# Altium PCB TIDA-010056.PcbDoc (part 1 of 3) (continued)
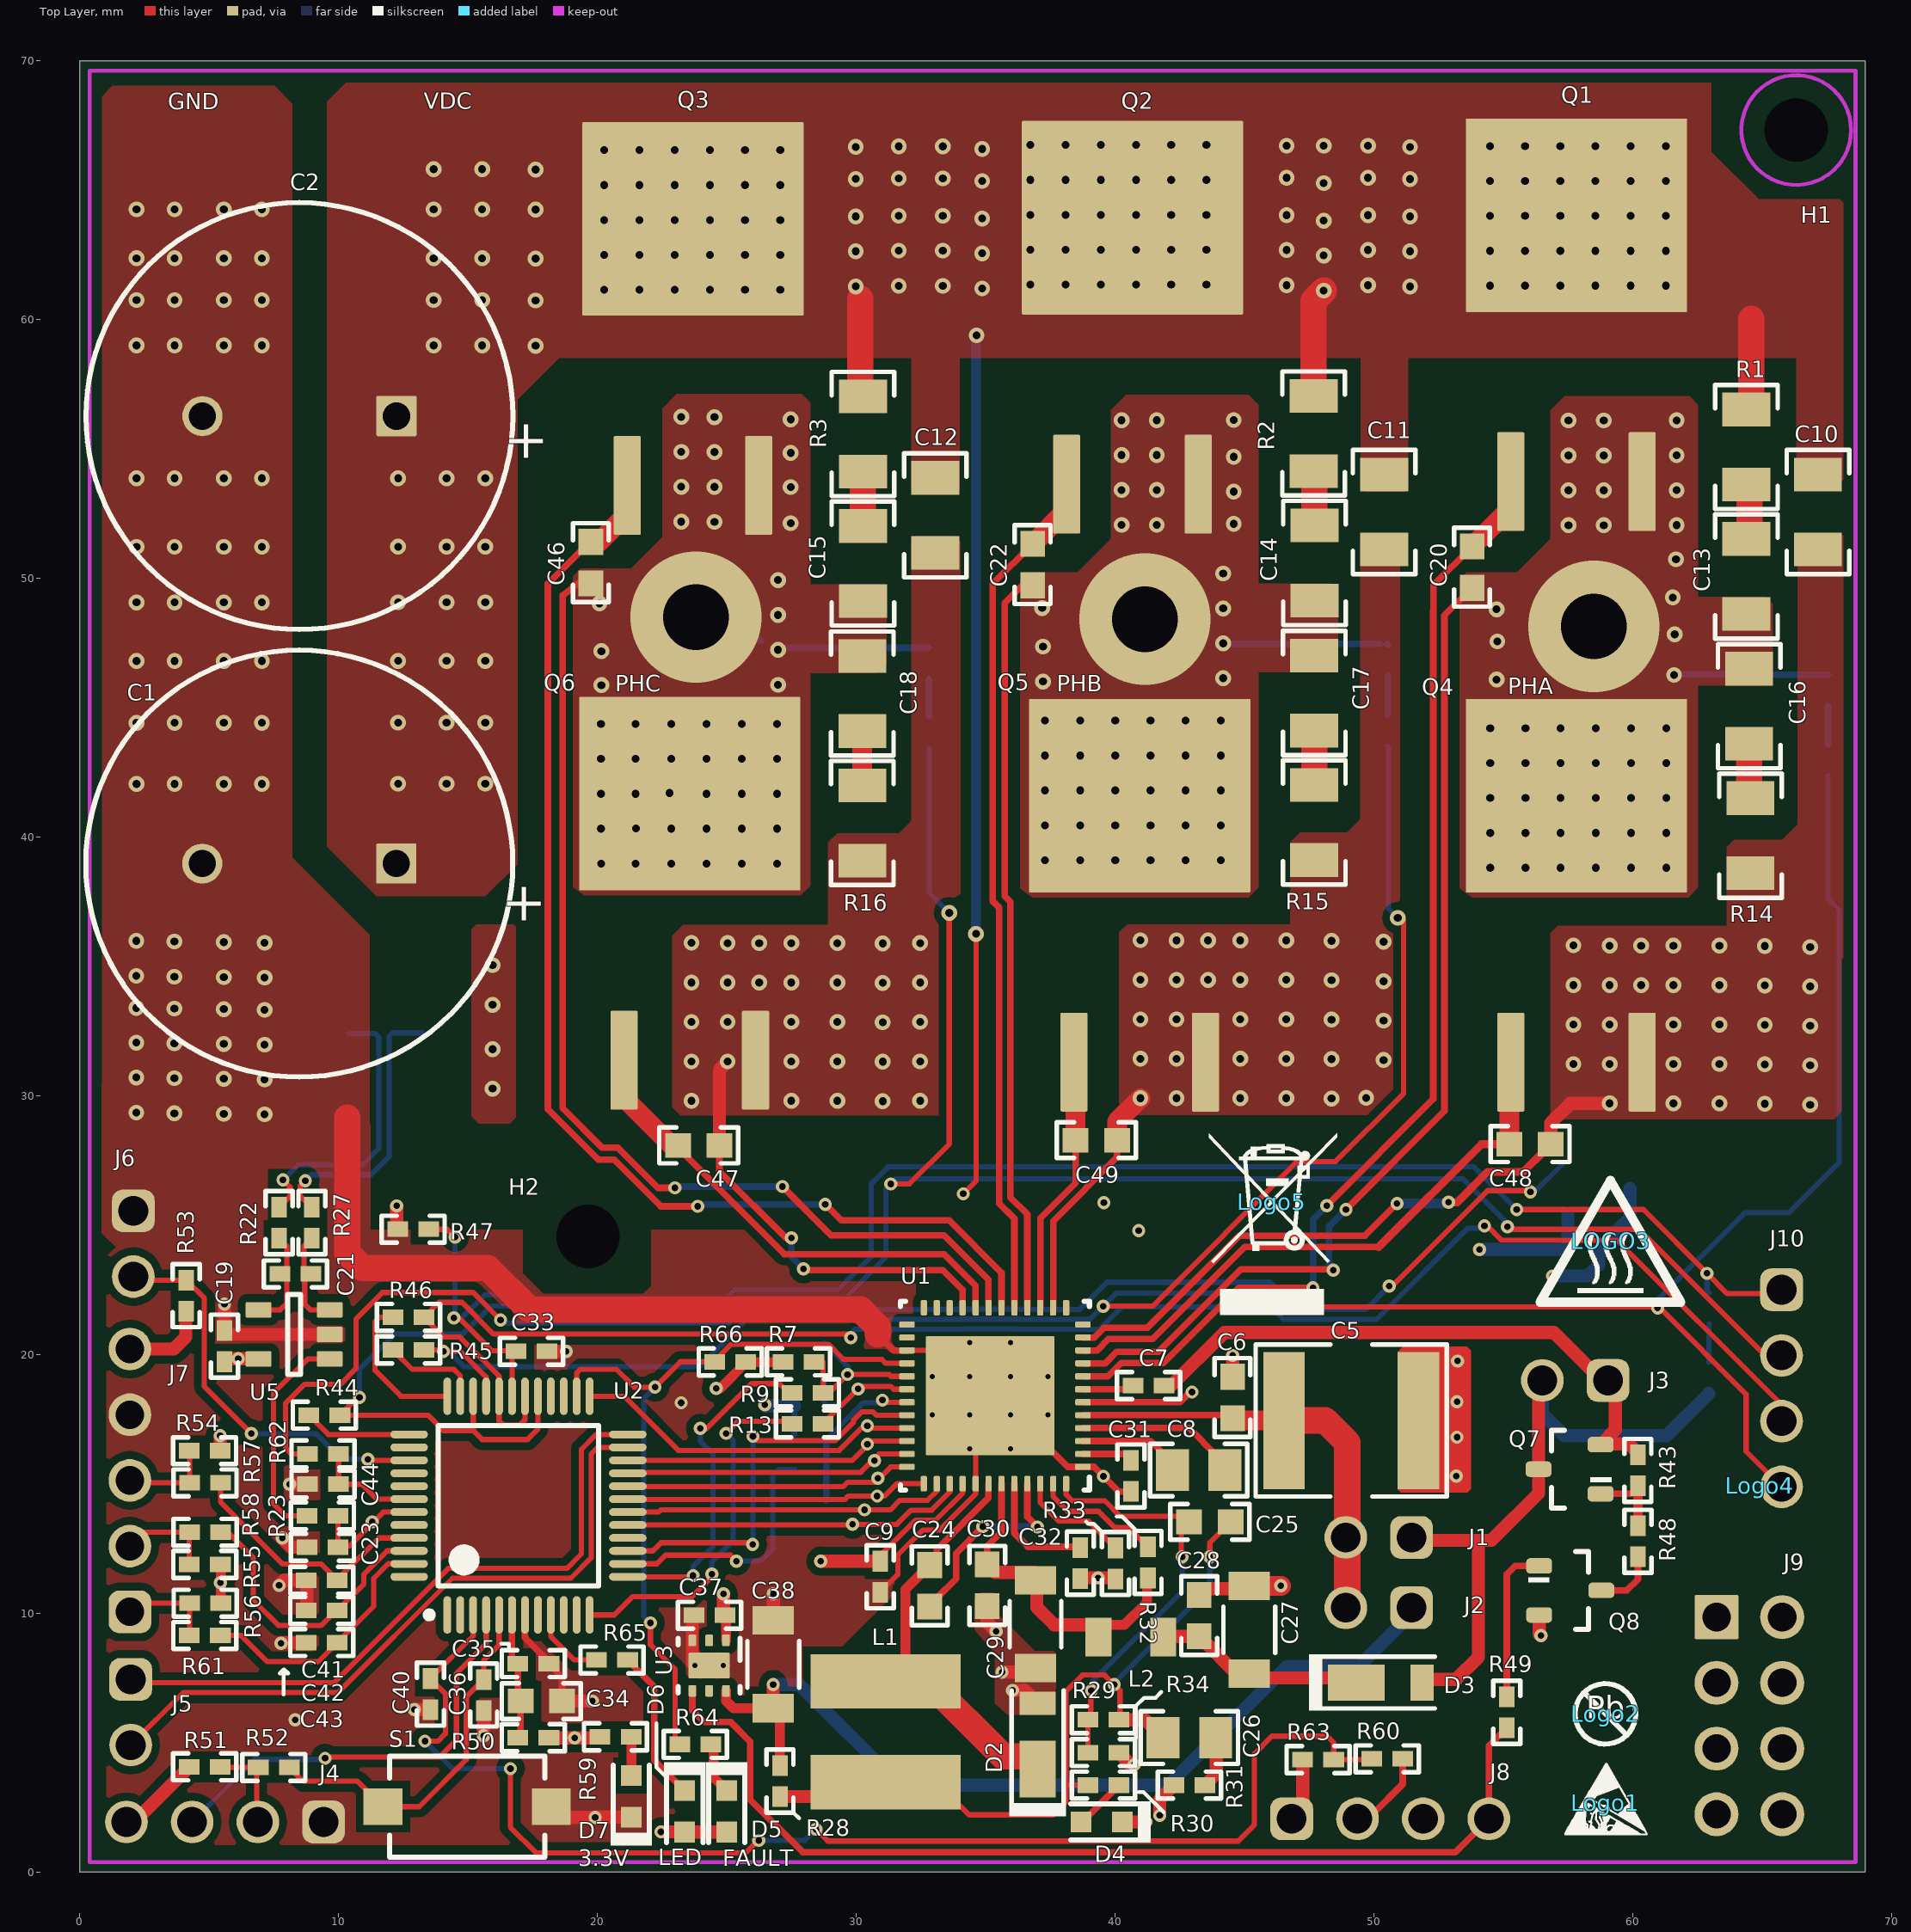
[diagram p0: Top Layer view]
## Design rules (kind name [scope] priority, off if disabled: settings)
AcuteAngle [All] p1: minimum=4.50000000000000E+0001 checktracksonly=FALSE
AssemblyTestPointUsage [All] p1: valid=2
Clearance Clearance_u1 [InPadClass('U1')] p1: gap=0.196 ignorepadtopadclearanceinfootprint=FALSE except(0: Arc-Hole Track-Hole SMDPad-Hole THPad-Hole Via-Hole Fill-Hole Poly-Hole Region-Hole Text-Hole)
Clearance Clearance_Boardedge_poly [OnCopper and InPolygon vs IsKeepOut] p2: gap=0.127 ignorepadtopadclearanceinfootprint=FALSE except(0: Arc-Hole Track-Hole SMDPad-Hole THPad-Hole Via-Hole Fill-Hole Poly-Hole Region-Hole Text-Hole)
Clearance Clearance_MTG_COPPER [InPadClass('MTG') vs InPolygon] p3: gap=1.016 ignorepadtopadclearanceinfootprint=FALSE except(0: Arc-Hole Track-Hole SMDPad-Hole THPad-Hole Via-Hole Fill-Hole Poly-Hole Region-Hole Text-Hole)
Clearance "Shape to Shape" [InPolygon vs InPolygon] p4: gap=0.508 ignorepadtopadclearanceinfootprint=FALSE except(0: Arc-Hole Track-Hole SMDPad-Hole THPad-Hole Via-Hole Fill-Hole Poly-Hole Region-Hole Text-Hole)
Clearance "shape to all" [InPolygon] p5: gap=0.305 ignorepadtopadclearanceinfootprint=FALSE except(0: Arc-Hole Track-Hole SMDPad-Hole THPad-Hole Via-Hole Fill-Hole Poly-Hole Region-Hole Text-Hole)
Clearance "Clearance_via_thr pin" [IsVia vs IsThruPin] p6: gap=0.203 ignorepadtopadclearanceinfootprint=FALSE except(0: Arc-Hole Track-Hole SMDPad-Hole THPad-Hole Via-Hole Fill-Hole Poly-Hole Region-Hole Text-Hole)
Clearance [All] p7: gap=0.178 ignorepadtopadclearanceinfootprint=FALSE except(0: Arc-Hole Track-Hole SMDPad-Hole THPad-Hole Via-Hole Fill-Hole Poly-Hole Region-Hole Text-Hole)
DiffPairsRouting DiffPair_DiffPairsRouting [InDifferentialPair ('kan')] p1: maxlimit=0.254 minlimit=0.254 mostfreqgap=0.254 toplayer_minwidth=0.381 toplayer_maxwidth=0.381 toplayer_prefwidth=0.381 midlayer1_minwidth=0.381 midlayer1_maxwidth=0.381 midlayer1_prefwidth=0.381 midlayer2_minwidth=0.381 midlayer2_maxwidth=0.381 midlayer2_prefwidth=0.381 bottomlayer_minwidth=0.381 bottomlayer_maxwidth=0.381 bottomlayer_prefwidth=0.381 maxuncoupledlength=12.7
DiffPairsRouting DiffPair_DiffPairsRouting_1 [InDifferentialPair ('kan')] p2: maxlimit=0.254 minlimit=0.254 mostfreqgap=0.254 toplayer_minwidth=0.381 toplayer_maxwidth=0.381 toplayer_prefwidth=0.381 midlayer1_minwidth=0.381 midlayer1_maxwidth=0.381 midlayer1_prefwidth=0.381 midlayer2_minwidth=0.381 midlayer2_maxwidth=0.381 midlayer2_prefwidth=0.381 bottomlayer_minwidth=0.381 bottomlayer_maxwidth=0.381 bottomlayer_prefwidth=0.381 maxuncoupledlength=12.7
DiffPairsRouting [All] p3: maxlimit=2.54 minlimit=0.254 mostfreqgap=0.254 toplayer_minwidth=0.381 toplayer_maxwidth=0.381 toplayer_prefwidth=0.381 midlayer1_minwidth=0.381 midlayer1_maxwidth=0.381 midlayer1_prefwidth=0.381 midlayer2_minwidth=0.381 midlayer2_maxwidth=0.381 midlayer2_prefwidth=0.381 bottomlayer_minwidth=0.381 bottomlayer_maxwidth=0.381 bottomlayer_prefwidth=0.381 maxuncoupledlength=25.4
FabricationTestPointUsage TestPointUsage [All] p1: valid=2 allowmultiple=FALSE
FabricationTestpoint Testpoint [All] p1: side=3 testpointundercomponent=TRUE minsize=1.016 maxsize=2.54 preferedsize=1.524 minholesize=0 maxholesize=1.016 preferedholesize=0.813 testpointgrid=0.025 allowsidetop=TRUE allowsidebottom=TRUE usegrid=TRUE gridtolerance=0
FanoutControl Fanout_LCC [IsLCC] p1: bgadir=Out bgaviamode=Centered fanoutstyle=Auto fanoutdirection=Alternating viagrid=0.025 // Fanout_LCC (Default Rule)
FanoutControl Fanout_BGA [IsBGA] p2: bgadir=Out bgaviamode=Centered fanoutstyle=Auto fanoutdirection=Alternating viagrid=0.025 // Fanout_BGA (Default Rule)
FanoutControl Fanout_Default [All] p4: bgadir=Out bgaviamode=Centered fanoutstyle=Auto fanoutdirection=Alternating viagrid=0.025 // Fanout_Default (Default Rule)
FanoutControl Fanout_Small [(CompPinCount < 5)] p5: bgadir=Out bgaviamode=Centered fanoutstyle=Auto fanoutdirection=OutThenIn viagrid=0.025 // Fanout_Small (Default Rule)
HoleSize [All] p1: absolutevalues=TRUE maxlimit=25.4 minlimit=0.178 maxpercent=80.000 minpercent=20.000
MatchedLengths DiffPair_MatchedLengths [InDifferentialPair ('kan')] p1: tolerance=25.4 checknetsindiffpair=TRUE checkdiffpairvsdiffpair=FALSE checkxsignals=FALSE checkothers=FALSE
MatchedLengths DiffPair_MatchedLengths_1 [InDifferentialPair ('kan')] p2: tolerance=25.4 checknetsindiffpair=TRUE checkdiffpairvsdiffpair=FALSE checkxsignals=FALSE checkothers=FALSE
MinimumAnnularRing [All] p1: minimumring=0.127
MinimumAnnularRing MinimumAnnularRing_ThermalPadVias [IsVia and InAnyComponent] p2: minimumring=0.15
MinimumSolderMaskSliver MinimumSolderMaskSliver_Logo [InComponentClass('Logo') vs InComponentClass('Logo')] p1: minsoldermaskwidth=0.018
MinimumSolderMaskSliver [All] p2: minsoldermaskwidth=0.1
PlaneClearance [All] p1: clearance=0.381
PolygonConnect [All] p1: connectstyle=Direct reliefconductorwidth=0.254 reliefentries=4 polygonreliefangle="90 Angle" airgapwidth=0.254
RoutingVias RoutingVias_power [InNetClass('POWER')] p1: holewidth=0.406 width=0.813 viastyle="Through Hole" minholewidth=0.2 minwidth=0.5 maxholewidth=0.406 maxwidth=0.813
RoutingVias ThermalPadVias [IsVia and InAnyComponent] p2: holewidth=0.203 width=0.508 viastyle="Through Hole" minholewidth=0.2 minwidth=0.483 maxholewidth=0.305 maxwidth=0.61
RoutingVias [All] p3: holewidth=0.254 width=0.508 viastyle="Through Hole" minholewidth=0.2 minwidth=0.5 maxholewidth=2.54 maxwidth=5.08
SMDToCorner [All] p1: distance=30000
SilkToSilkClearance [All] p1: silktosilkclearance=0.127
SilkToSolderMaskClearance SilkscreenOverComponentPads [IsPad] p1: minsilkscreentomaskgap=0 clearancetoexposedcopper=TRUE
SolderMaskExpansion [All] p1: expansion=0.076
Width Width_power [InNetClass('pwr')] p1: maxlimit=5.08 minlimit=0.254 preferedwidth=0.508
Width [All] p2: maxlimit=2.54 minlimit=0.152 preferedwidth=0.203 checkconnectedcopper=TRUE
17 further rules are at their usual default settings.

## Classes and differential pairs
component class TIDA-010056_Page2: C34 C35 C36 C37 C38 C39 C40 C41 C42 C43 C44 C45 C? D5 D6 D7 J4 J5 J6 J7 J8 J9 J10 R50 R51 R52 R53 R54 R55 R56 R57 R58 R59 R60 R61 R62 R63 R64 R65 R? S1 U2 U3 U4
component class TIDA-010056_Page1: C1 C2 C3 C4 C5 C6 C7 C8 C9 C10 C11 C12 C13 C14 C15 C16 C17 C18 C19 C20 C21 C22 C23 C24 C25 C26 C27 C28 C29 C30 C31 C32 C33 C46 C47 C48 C49 D1 D2 D3 D4 J1 J2 J3 L1 L2 Q1 Q2 Q3 Q4 Q5 Q6 Q7 Q8 R1 R2 R3 R4 R5 R6 R7 R8 R9 R10 R13 R14 R15 R16 R17 R22 R23 R24 R25 R27 R28 R29 R30 R31 R32 R33 R34 R35 R36 R37 R38 R39 R40 R41 R42 R43 R44 R45 R46 R47 R48 R49 R66 U1 U5
component class AssemblyNote: ZZ1 ZZ2 ZZ3 ZZ4
component class TIDA-010056_Hardware: H1 H2 H3 H4 Logo1 Logo2 LOGO3 Logo4 Logo5 U? ZZ1 ZZ2 ZZ3 ZZ4
pad class U1: U9-39 U9-40 U9-41
component class Header: J1 J2 J3 J4 J5 J6 J7 J8 J10

## Components (designator, comment, footprint, x,y, rotation, side; value= is the part's Value field where it differs from the comment)
C1 "EEU-FS2A391" YXJ_1600X2500 8.479,38.976 r180 top value=390uF
C2 "EEU-FS2A391" YXJ_1600X2500 8.485,56.273 r180 top value=390uF
C3 "C3216X7R2A104K160AA" 1206_180 8.798,45.999 r180 bottom value=0.1uF
C4 "CL31B225KCHSNNE" 1206 8.868,49.835 r180 bottom value=2.2uF
C5 "22201C106MAT2A" 2220_280 49.128,17.452 r0 top value=10uF
C6 "GRM188R72A104KA35D" 0603 44.542,18.339 r90 top value=0.1uF
C7 "CL05A105MO5NNNC" 0402 41.3,18.796 r0 top value=1uF
C8 "GRM21BR72A473KA01L" 0805_HV 43.236,15.533 r0 top value=0.047uF
C9 "GRM152R60J105ME15D" 0402 30.928,11.41 r270 top value=1uF
C10 "CL31B225KCHSNNE" 1206 67.169,52.566 r270 top value=2.2uF
C11 "CL31B225KCHSNNE" 1206 50.405,52.566 r270 top value=2.2uF
C12 "CL31B225KCHSNNE" 1206 33.057,52.439 r270 top value=2.2uF
C13 "12061C392KAZ2A" 1206 64.4,50.076 r270 top value=3900pF
C14 "12061C392KAZ2A" 1206 47.713,50.597 r270 top value=3900pF
C15 "12061C392KAZ2A" 1206 30.263,50.578 r270 top value=3900pF
C16 "12061C392KAZ2A" 1206 64.51,45.06 r270 top value=3900pF
C17 "12061C392KAZ2A" 1206 47.699,45.568 r270 top value=3900pF
C18 "12061C392KAZ2A" 1206 30.237,45.549 r270 top value=3900pF
C19 "GCM155R71A104KA55D" 0402 5.588,20.32 r270 top value=0.1uF
C20 "885012206083" 0603 53.798,50.432 r270 top value=1000pF
C21 "GRM155R71H332KA01D" 0402 8.331,23.114 r180 top value=3300pF
C22 "885012206083" 0603 36.816,50.534 r270 top value=1000pF
C23 "GRM155R71C102KA01D" 0402 9.373,12.548 r180 top value=1000pF
C24 "885012206114" 0603 32.842,11.061 r90 top value=0.01uF
C25 "GRM1885C1H302JA01D" 0603 43.667,13.53 r180 top value=3000pF
C26 "C2012X7R1H225K125AC" 0805_HV 42.875,5.191 r0 top value=2.2uF
C27 "C3216X7S2A335M160AB" 1206_190 45.191,9.361 r90 top value=3.3uF
C28 "GRM188R72A104KA35D" 0603 43.256,9.906 r90 top value=0.1uF
C29 "C3216X7S2A335M160AB" 1206_190 36.932,9.576 r270 top value=3.3uF
C30 "GRM188R72A104KA35D" 0603 35.064,11.079 r270 top value=0.1uF
C31 "CL05A105MO5NNNC" 0402 40.619,15.304 r270 top value=1uF
C32 "CGB2A1X5R1C474K033BC" 0402 38.664,11.938 r270 top value=0.47uF
C33 "GCM155R71A104KA55D" 0402 17.456,20.122 r0 top value=0.1uF
C34 "GRM188R61A106KE69D" 0603 17.831,6.604 r0 top value=10uF
C35 "GCM155R71A104KA55D" 0402 17.526,8.052 r0 top value=0.1uF
C36 "GRM155R71C102KA01D" 0402 15.604,6.838 r270 top value=1000pF
C37 "885012105013" 0402 24.333,9.918 r180 top value=2.2uF
C38 "C3216X7R1V106M160AC" 1206_190 26.797,8.026 r90 top value=10uF
C39 "GCM155R71A104KA55D" 0402 9.398,16.055 r180 bottom value=0.1uF
C40 "GCM155R71A104KA55D" 0402 13.546,6.873 r270 top value=0.1uF
C41 "GRM155R71C102KA01D" 0402 9.347,11.278 r180 top value=1000pF
C42 "GRM155R71C102KA01D" 0402 9.347,10.109 r180 top value=1000pF
C43 "GRM155R71C102KA01D" 0402 9.347,8.865 r180 top value=1000pF
C44 "GCM155R71A104KA55D" 0402 9.398,14.986 r180 top value=0.1uF
C45 "GCM155R71A104KA55D" 0402 58.09,24.079 r0 bottom value=0.1uF
C46 "885012206083" 0603 19.747,50.61 r270 top value=1000pF
C47 "885012206083" 0603 23.913,28.08 r0 top value=1000pF
C48 "885012206083" 0603 56.044,28.131 r0 top value=1000pF
C49 "885012206083" 0603 39.28,28.283 r0 top value=1000pF
D1 "SMBJ70CA-13-F" SMB-BI 8.839,63.221 r0 bottom value=70V
D2 "DFLS1200-7" POWERDI123 37.013,5.246 r90 top value=200V
D3 "DFLS1200-7" POWERDI123 50.597,7.321 r0 top value=200V
D4 "LED_A2_K1" WL-SMCW_GREEN 39.484,1.93 r180 top value=Green
D5 "150060GS75000" WL-SMCW_GREEN 25.001,2.342 r270 top value=RED
D6 "150060GS75000" WL-SMCW_GREEN 23.375,2.342 r270 top value=YELLOW
D7 "150060GS75000" WL-SMCW_GREEN 21.311,2.921 r90 top value=GREEN
H1 "NY PMS 256 0025 PH" "NY PMS 256 0025 PH" 66.329,67.33 r180 top
H2 "NY PMS 256 0025 PH" "NY PMS 256 0025 PH" 19.638,24.562 r180 top
J1 "61300211121" WURTH_61300211121 50.19,12.929 r180 top
J2 "61300211121" WURTH_61300211121 50.19,10.211 r180 top
J3 "61300211121" WURTH_61300211121 57.785,18.999 r180 top
J4 "61300411121" WURTH_61300411121 5.609,1.93 r180 top
J5 "61300211121" WURTH_61300211121 1.964,6.174 r270 top
J6 "61300211121" WURTH_61300211121 2.065,24.282 r270 top
J7 "61300511121" Wurth_61300511121 1.934,15.134 r90 top
J8 "61300411121" WURTH_61300411121 50.641,2.053 r0 top
J9 "61300821121" FP-61300821121_HDR8-MFG 64.516,6.04 r270 top
J10 "61300411121" WURTH_61300411121 65.761,18.694 r270 top
L1 "SDR0604-331KL" SDR0604 31.14,5.416 r270 top value=330uH
L2 "Inductor_Iron" NLCV25 40.615,9.08 r180 top value=33uH
Logo1 "ESD Susceptible" ESD_OVERLAY_SMALL 58.953,2.667 r0 top
Logo2 "Pb-Free Symbol" PB-FREE_OVERLAY_SMALL 58.953,6.11 r0 top
LOGO3 "CAUTION HOT SURFACE" IEC_HOTSURFACE_SMALL 59.149,24.384 r0 top
Logo4 "FCC disclaimer" FCC_disclaimer 64.919,14.931 r90 top
Logo5 "WEEE logo" WEEE_Minimum 46.064,25.904 r0 top
Q1 "CSD19536KTT" KTT0002A 57.834,60.64 r90 top value=100V
Q2 "CSD19536KTT" KTT0002A 40.677,60.541 r90 top value=100V
Q3 "CSD19536KTT" KTT0002A 23.692,60.496 r90 top value=100V
Q4 "CSD19536KTT" KTT0002A 57.834,38.202 r90 top value=100V
Q5 "CSD19536KTT" KTT0002A 40.956,38.202 r90 top value=100V
Q6 "CSD19536KTT" KTT0002A 23.57,38.275 r90 top value=100V
Q7 "FMMT593TA" SOT-23 57.569,15.567 r180 top value="100 V"
Q8 "FMMT493TA" SOT-23 57.595,10.881 r0 top value="100 V"
R1 "CRCW12061R50FKEA" 1206 64.4,55.08 r90 top value=1.50
R2 "CRCW12061R50FKEA" 1206 47.679,55.601 r90 top value=1.50
R3 "CRCW12061R50FKEA" 1206 30.263,55.582 r90 top value=1.50
R4 "RC0402JR-070RL" 0402 28.169,20.457 r180 bottom value=0
R5 "CRCW040275K0JNED" 0402 28.169,18.037 r0 bottom value=75k
R6 "ERJ-2RKF1802X" 0402 28.169,19.23 r0 bottom value=18.0k
R7 "ERJ-2RKF1002X" 0402 27.775,19.72 r180 top value=10.0k
R8 "ERJ-2RKF1802X" 0402 28.27,16.739 r0 bottom value=18.0k
R9 "ERJ-2GEJ101X" 0402 28.118,18.514 r0 top value=100
R10 "CRCW040275K0JNED" 0402 28.245,14.351 r0 bottom value=75k
R13 "ERJ-2GEJ101X" 0402 28.118,17.323 r0 top value=100
R14 "CRCW12061R50FKEA" 1206 64.561,40.056 r90 top value=1.50
R15 "CRCW12061R50FKEA" 1206 47.699,40.564 r90 top value=1.50
R16 "CRCW12061R50FKEA" 1206 30.237,40.545 r90 top value=1.50
R17 "ERJ-2GEJ101X" 0402 28.245,15.56 r0 bottom value=100
R22 "CRCW040210R0FKED" 0402 8.966,25.095 r270 top value=10.0
R23 "ERJ-2GEJ101X" 0402 9.373,13.767 r0 top value=100
R24 "CRE2512-FZ-R001E-3" CRE2512-R1_R4 11.811,34.617 r0 bottom value=0.001
R25 "CRE2512-FZ-R001E-3" CRE2512-R1_R4 11.811,30.166 r0 bottom value=0.001
R27 "CRCW040210R0FKED" 0402 7.699,25.095 r270 top value=10.0
R28 "RC0402JR-070RL" 0402 27.051,3.514 r90 top value=0
R29 "CRCW040220K0FKED" 0402 39.552,5.881 r0 top value=20.0k
R30 "CRCW040220K0FKED" 0402 39.553,3.353 r180 top value=20.0k
R31 "ERJ-2BQFR91X" 0402 42.875,3.353 r0 top value=0.91
R32 "RC0402FR-07249KL" 0402 41.275,11.963 r90 top value=249k
R33 "AC0402FR-07133KL" 0402 40.017,11.926 r90 top value=133k
R34 "RC0402FR-074K02L" 0402 39.553,4.611 r180 top value=4.02k
R35 "CRCW04022M00FKED" 0402 62.948,19.091 r270 bottom value=2.00Meg
R36 "RC0402FR-07249KL" 0402 67.555,45.682 r90 bottom value=249k
R37 "RC0402FR-07249KL" 0402 50.544,46.846 r90 bottom value=249k
R38 "RC0402FR-07249KL" 0402 32.806,46.716 r90 bottom value=249k
R39 "CRCW04022M00FKED" 0402 62.967,21.784 r270 bottom value=2.00Meg
R40 "RC0402FR-07249KL" 0402 67.555,42.99 r90 bottom value=249k
R41 "RC0402FR-07249KL" 0402 50.532,44.113 r90 bottom value=249k
R42 "RC0402FR-07249KL" 0402 32.828,44.065 r90 bottom value=249k
R43 "ERJ-2RKF9762X" 0402 60.206,15.521 r90 top value=97.6k
R44 "RC0402FR-0723K2L" 0402 9.449,17.657 r0 top value=23.2k
R45 "RC0402FR-0723K2L" 0402 12.7,20.177 r0 top value=23.2k
R46 "RC0402FR-0723K2L" 0402 12.7,21.437 r0 top value=23.2k
R47 "ERJ-2RKF1913X" 0402 12.878,24.841 r0 top value=191k
R48 "CRCW04022M00FKED" 0402 60.212,12.778 r90 top value=2.00Meg
R49 "ERJ-2RKF3301X" 0402 55.143,6.172 r270 top value=3.30k
R50 "CRCW04023R32FKED" 0402 17.526,5.188 r180 top value=3.32
R51 "RC0402FR-0747KL" 0402 4.826,4.064 r180 top value=47.0k
R52 "ERJ-2GEJ101X" 0402 7.493,4.039 r0 top value=100
R53 "CRCW04022M00FKED" 0402 4.108,22.276 r270 top value=2.00Meg
R54 "ERJ-2RKF3301X" 0402 4.82,16.281 r0 top value=3.30k
R55 "ERJ-2RKF3301X" 0402 4.83,11.887 r0 top value=3.30k
R56 "ERJ-2RKF3301X" 0402 4.846,10.384 r0 top value=3.30k
R57 "ERJ-2GEJ101X" 0402 4.835,15.037 r0 top value=100
R58 "ERJ-2GEJ101X" 0402 4.84,13.126 r0 top value=100
R59 "ERJ-2RKF1001X" 0402 20.701,5.224 r180 top value=1.00k
R60 "ERJ-2RKF1002X" 0402 50.521,4.369 r0 top value=10.0k
R61 "ERJ-2GEJ101X" 0402 4.83,9.139 r0 top value=100
R62 "ERJ-2RKF1002X" 0402 9.398,16.154 r180 top value=10.0k
R63 "ERJ-2RKF1004X" 0402 47.854,4.343 r0 top value=1.00Meg
R64 "ERJ-2RKF1001X" 0402 23.783,4.931 r0 top value=1.00k
R65 "ERJ-2RKF1001X" 0402 20.567,8.191 r0 top value=1.00k
R66 "ERJ-2RKF1002X" 0402 25.134,19.71 r0 top value=10.0k
S1 "434121025816" SW_434121025816 14.962,2.523 r180 top
U1 "DRV8350RHRGZR" RGZ0048L 35.364,18.407 r180 top locked
U2 "MSP430FR2355TPTR" PT0048A_N 16.95,14.16 r90 top
U3 "TPS70933DRVR" DRV0006A 24.319,7.974 r270 top
U4 "TMP235A4DBZR" DBZ0003A_N 58.699,26.416 r0 bottom
U5 "INA180A3IDBV" DBV0005A_N 8.28,20.777 r180 top
ZZ1 "This Assembly Note is for PCB labels only" AssemblyNoteLabel -2.413,90.246 r0 top
ZZ2 "These assemblies are ESD sensitive, ESD precautions shall be observed." AssemblyNote -2.413,87.706 r0 top
ZZ3 "These assemblies must be clean and free from flux and all contaminants. Use of no clean flux is not acceptable." AssemblyNote -2.413,84.836 r0 top
ZZ4 "These assemblies must comply with workmanship standards IPC-A-610 Class 2, unless otherwise specified." AssemblyNote -2.413,82.55 r0 top

## Footprints (in the part's own frame and the unit in brackets; to place one, negate y for a bottom-side part, rotate by r counter-clockwise, add the part's x,y. Pads: shape width x height; smd on the part's side, far side on the other; paste and mask are expansions set on the pad)
0402 [mm] "0402 from SM-752 data"
  rect 0.8x0.6 smd: 1(-0.6,0) 2(0.6,0)
  silkscreen extent -1.22,-0.52 1.22,0.52, body extent -0.55,-0.3 0.55,0.3, height 0.6
0603 [mm] "0603 from SM-752 data"
  rect 1x0.95 smd: 1(-0.8,0) 2(0.8,0)
  silkscreen extent -1.52,-0.69 1.52,0.69, body extent -0.87,-0.47 0.87,0.47, height 1
0805_HV [mil] "0805 with 30mil clearance between pads"
  rect 50x63 smd: 1(-40,0) 2(40,0)
  silkscreen extent -74,-40 74,40, body extent -43,-29 43,29, height 57
1206 [mm] "1206 from SM-752 data"
  rect 1.3x1.85 smd: 1(-1.45,0) 2(1.45,0)
  silkscreen extent -2.4,-1.21 2.4,1.21, body extent -1.7,-0.9 1.7,0.9, height 1.35
1206_180 [mm] "1206_180"
  rect 1.1x1.6 smd: 1(-1.7,0) 2(1.7,0)
  silkscreen extent -0.9,-1 0.9,1, body extent -1.75,-0.95 1.75,0.95, height 1.8
1206_190 [mm] "1206_190"
  rect 1.1x1.6 smd: 1(-1.7,0) 2(1.7,0)
  silkscreen extent -0.9,-1 0.9,1, body extent -1.75,-0.95 1.75,0.95, height 1.9
2220_280 [mm] "Chip Capacitor, Body 5.7x5.0mm, IPC Medium Density"
  rect 1.6x5.3 smd: 1(-2.6,0) 2(2.6,0)
  silkscreen extent -3.69,-2.94 3.69,2.94, body extent -2.95,-2.62 2.95,2.62, height 2.8
AssemblyNote [mm] "Assembly Note"
AssemblyNoteLabel [mm] "Assembly Note for PCB Labels"
CRE2512-R1_R4 [mm] "SMD, 2-Leads, Body 6.45x3.35mm"
  rrect3% 3.1x4 smd: 1(-2.2,0) 2(2.2,0)
  silkscreen extent -0.35,-1.8 0.35,1.8, body extent -3.32,-1.77 3.33,1.78, height 0.9
DBV0005A_N [mm] "SOT23, 5-Leads, Body 2.9x1.6mm, Pitch 0.95mm, Lead Span 2.8mm, IPC Medium Density"
  rrect17% 1x0.6 smd: 1(-1.375,0.95) 2(-1.375,0) 3(-1.375,-0.95) 4(1.375,-0.95) 5(1.375,0.95)
  silkscreen extent -0.25,-1.55 0.25,1.55, body extent -1.42,-1.46 1.42,1.46, height 1.09
DBZ0003A_N [mm] "SOT23, 3-Leads, Body 2.9x1.3mm, Pitch 0.95mm, Lead Span 2.4mm, IPC Medium Density"
  rrect17% 1x0.6 smd: 1(-1.2,0.95) 2(-1.2,-0.95) 3(1.2,0)
  silkscreen extent 0.2,-1.5 0.7,1.5, body extent -1.26,-1.46 1.26,1.46, height 0.98
DRV0006A [mm] "SON, 6-Leads, Body 2x2mm, Pitch 0.65mm, Thermal Pad 1.6x1mm, TI Recommended"
  rrect33% 0.45x0.3 smd: 1(-0.975,0.65) 2(-0.975,0) 3(-0.975,-0.65) 4(0.975,-0.65) 5(0.975,0) 6(0.975,0.65)
  rrect10% 1x1.6 smd paste-0.5: 7(0,0)
  silkscreen extent -1.05,-1.2 1.05,1.2, body extent -1.05,-1.05 1.05,1.05, height 0.81